# KiCad board Joystick 2-axis with pushbutton breakout_panel.kicad_pcb (continued)
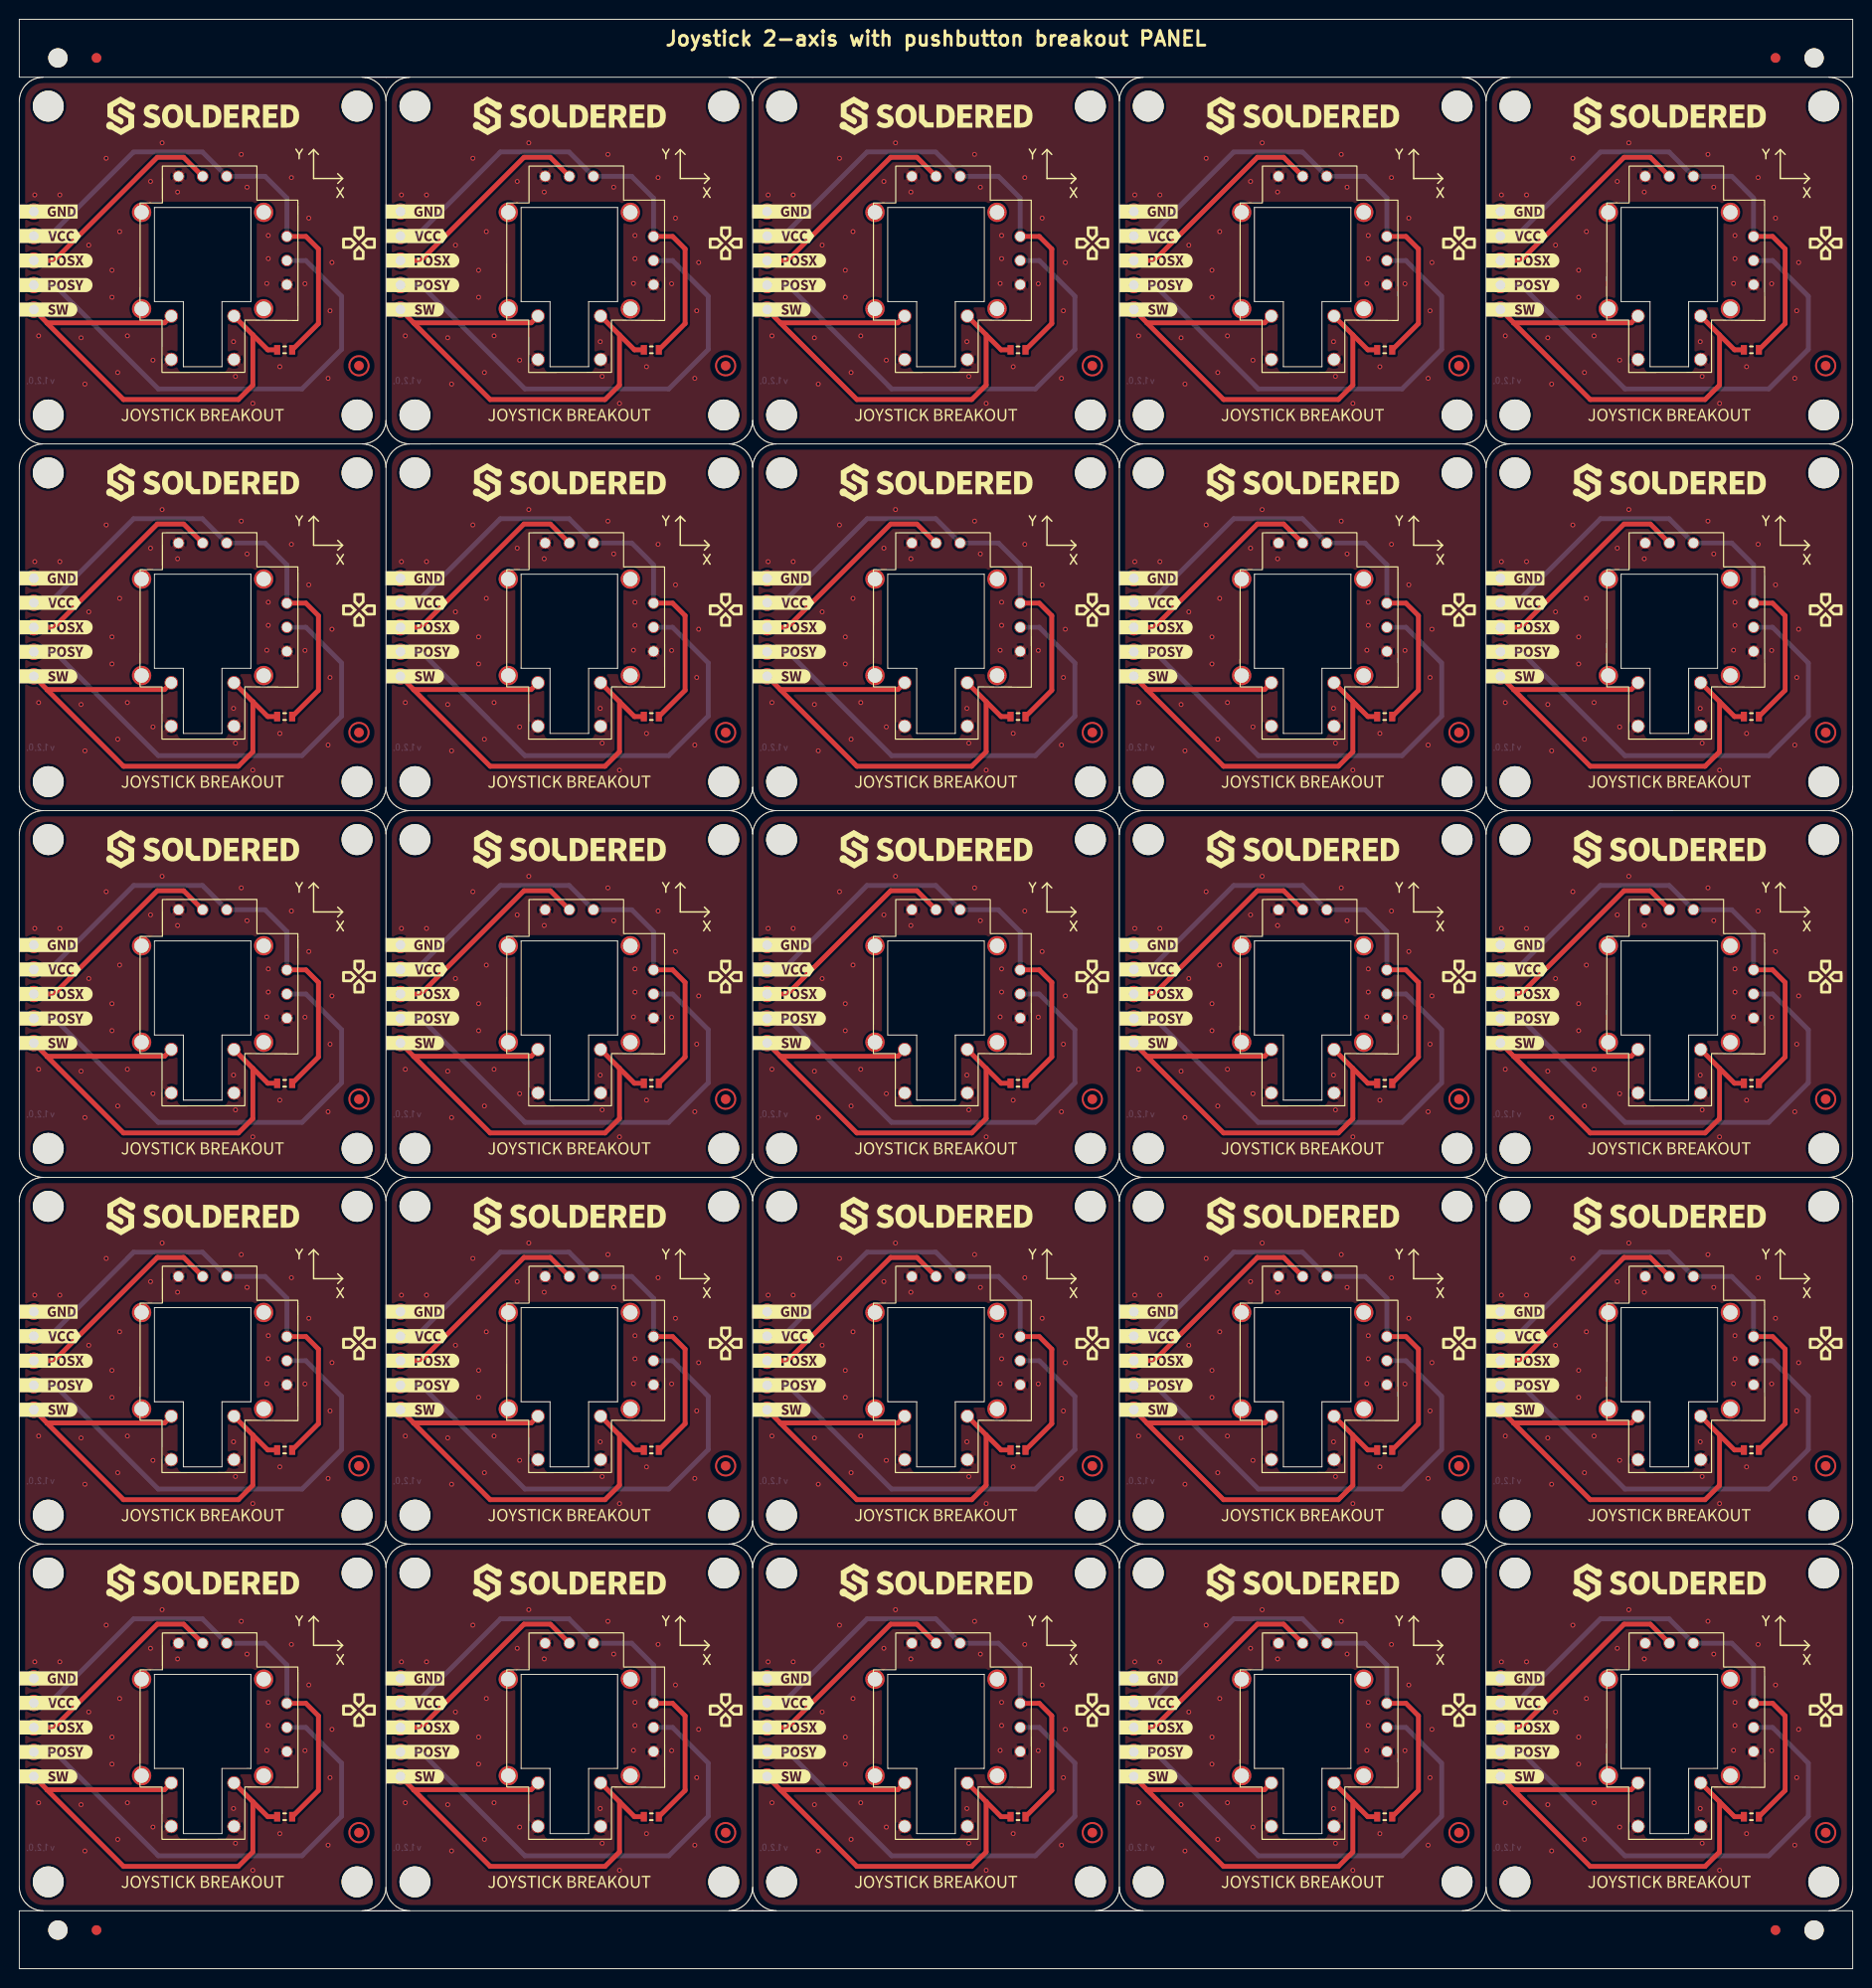
[diagram p0: board, top side]
## Placement (name value [footprint] x y rotation side) (continued)
kibuzzard-66828977#18  G***  [kibuzzard-66828977]  155.8 25 0 top
kibuzzard-66828977#19  G***  [kibuzzard-66828977]  79.8 177 0 top
kibuzzard-66828977#20  G***  [kibuzzard-66828977]  79.8 25 0 top
kibuzzard-66828977#21  G***  [kibuzzard-66828977]  3.8 25 0 top
kibuzzard-66828977#22  G***  [kibuzzard-66828977]  155.8 101 0 top
kibuzzard-66828977#23  G***  [kibuzzard-66828977]  117.8 63 0 top
kibuzzard-66828977#24  G***  [kibuzzard-66828977]  41.8 177 0 top
kibuzzard-66828977#25  G***  [kibuzzard-66828977]  79.8 101 0 top
kibuzzard-66828995  G***  [kibuzzard-66828995]  79.8 98.46 0 top
kibuzzard-66828995#2  G***  [kibuzzard-66828995]  79.8 60.46 0 top
kibuzzard-66828995#3  G***  [kibuzzard-66828995]  155.8 60.46 0 top
kibuzzard-66828995#4  G***  [kibuzzard-66828995]  155.8 22.46 0 top
kibuzzard-66828995#5  G***  [kibuzzard-66828995]  41.8 22.46 0 top
kibuzzard-66828995#6  G***  [kibuzzard-66828995]  41.8 174.46 0 top
kibuzzard-66828995#7  G***  [kibuzzard-66828995]  79.8 136.46 0 top
kibuzzard-66828995#8  G***  [kibuzzard-66828995]  117.8 174.46 0 top
kibuzzard-66828995#9  G***  [kibuzzard-66828995]  41.8 60.46 0 top
kibuzzard-66828995#10  G***  [kibuzzard-66828995]  155.8 174.46 0 top
kibuzzard-66828995#11  G***  [kibuzzard-66828995]  3.8 60.46 0 top
kibuzzard-66828995#12  G***  [kibuzzard-66828995]  117.8 60.46 0 top
kibuzzard-66828995#13  G***  [kibuzzard-66828995]  117.8 136.46 0 top
kibuzzard-66828995#14  G***  [kibuzzard-66828995]  3.8 174.46 0 top
kibuzzard-66828995#15  G***  [kibuzzard-66828995]  3.8 98.46 0 top
kibuzzard-66828995#16  G***  [kibuzzard-66828995]  117.8 98.46 0 top
kibuzzard-66828995#17  G***  [kibuzzard-66828995]  79.8 22.46 0 top
kibuzzard-66828995#18  G***  [kibuzzard-66828995]  41.8 98.46 0 top
kibuzzard-66828995#19  G***  [kibuzzard-66828995]  3.8 22.46 0 top
kibuzzard-66828995#20  G***  [kibuzzard-66828995]  117.8 22.46 0 top
kibuzzard-66828995#21  G***  [kibuzzard-66828995]  41.8 136.46 0 top
kibuzzard-66828995#22  G***  [kibuzzard-66828995]  155.8 136.46 0 top
kibuzzard-66828995#23  G***  [kibuzzard-66828995]  79.8 174.46 0 top
kibuzzard-66828995#24  G***  [kibuzzard-66828995]  3.8 136.46 0 top
kibuzzard-66828995#25  G***  [kibuzzard-66828995]  155.8 98.46 0 top
R1  10k  [0603R]  65.5 129.75 0 top
R1#2  10k  [0603R]  27.5 15.75 0 top
R1#3  10k  [0603R]  65.5 167.75 0 top
R1#4  10k  [0603R]  65.5 15.75 0 top
R1#5  10k  [0603R]  103.5 91.75 0 top
R1#6  10k  [0603R]  141.5 53.75 0 top
R1#7  10k  [0603R]  141.5 129.75 0 top
R1#8  10k  [0603R]  141.5 167.75 0 top
R1#9  10k  [0603R]  27.5 91.75 0 top
R1#10  10k  [0603R]  27.5 167.75 0 top
R1#11  10k  [0603R]  103.5 167.75 0 top
R1#12  10k  [0603R]  65.5 91.75 0 top
R1#13  10k  [0603R]  103.5 15.75 0 top
R1#14  10k  [0603R]  103.5 53.75 0 top
R1#15  10k  [0603R]  27.5 129.75 0 top
R1#16  10k  [0603R]  179.5 129.75 0 top
R1#17  10k  [0603R]  65.5 53.75 0 top
R1#18  10k  [0603R]  179.5 53.75 0 top
R1#19  10k  [0603R]  27.5 53.75 0 top
R1#20  10k  [0603R]  179.5 91.75 0 top
R1#21  10k  [0603R]  141.5 91.75 0 top
R1#22  10k  [0603R]  179.5 15.75 0 top
R1#23  10k  [0603R]  141.5 15.75 0 top
R1#24  10k  [0603R]  179.5 167.75 0 top
R1#25  10k  [0603R]  103.5 129.75 0 top
REF**  -  [Logo-Front-SolderedFULL-20mm]  133 116 0 top
REF**#2  -  [Logo-Back-CE-3.5mm]  88.9 160.4 0 top
REF**#3  Logo-Front-SolderedFULL-20mm  [Logo-Back-SolderedFULL-20mm]  133 78 0 top
REF**#4  -  [Logo-Back-CE-3.5mm]  88.9 46.4 0 top
REF**#5  -  [Logo-Front-SolderedFULL-20mm]  57 154 0 top
REF**#6  -  [Logo-Back-CE-3.5mm]  12.9 84.4 0 top
REF**#7  -  [Logo-Front-SolderedFULL-20mm]  171 78 0 top
REF**#8  Logo-Front-SolderedFULL-20mm  [Logo-Back-SolderedFULL-20mm]  95 192 0 top
REF**#9  -  [Logo-Back-CE-3.5mm]  12.9 122.4 0 top
REF**#10  -  [Logo-Back-UKCA-3.5mm]  122.4 160.5 0 top
REF**#11  -  [Logo-Front-SolderedFULL-20mm]  57 192 0 top
REF**#12  -  [Logo-Back-UKCA-3.5mm]  84.4 84.5 0 top
REF**#13  Logo-Front-SolderedFULL-20mm  [Logo-Back-SolderedFULL-20mm]  19 40 0 top
REF**#14  Logo-Front-SolderedFULL-20mm  [Logo-Back-SolderedFULL-20mm]  19 192 0 top
REF**#15  Logo-Front-SolderedFULL-20mm  [Logo-Back-SolderedFULL-20mm]  171 78 0 top
REF**#16  -  [Logo-Back-CE-3.5mm]  126.9 84.4 0 top
REF**#17  -  [Logo-Back-CE-3.5mm]  50.9 8.4 0 top
REF**#18  Logo-Front-SolderedFULL-20mm  [Logo-Back-SolderedFULL-20mm]  133 154 0 top
REF**#19  Logo-Front-SolderedFULL-20mm  [Logo-Back-SolderedFULL-20mm]  95 40 0 top
REF**#20  -  [Fiducial]  182 4 0 top
REF**#21  -  [Logo-Front-SolderedFULL-20mm]  57 78 0 top
REF**#22  Logo-Front-SolderedFULL-20mm  [Logo-Back-SolderedFULL-20mm]  133 116 0 top
REF**#23  -  [Logo-Front-SolderedFULL-20mm]  95 192 0 top
REF**#24  -  [Fiducial]  182 198 0 top
REF**#25  Logo-Front-SolderedFULL-20mm  [Logo-Back-SolderedFULL-20mm]  95 116 0 top
REF**#26  -  [Logo-Back-CE-3.5mm]  164.9 8.4 0 top
REF**#27  -  [Logo-Back-UKCA-3.5mm]  46.4 160.5 0 top
REF**#28  -  [Logo-Back-CE-3.5mm]  50.9 160.4 0 top
REF**#29  -  [Logo-Back-UKCA-3.5mm]  84.4 122.5 0 top
REF**#30  -  [Logo-Front-SolderedFULL-20mm]  95 78 0 top
REF**#31  Logo-Front-SolderedFULL-20mm  [Logo-Back-SolderedFULL-20mm]  19 78 0 top
REF**#32  -  [Logo-Back-CE-3.5mm]  164.9 160.4 0 top
REF**#33  -  [Fiducial]  8 4 0 top
REF**#34  -  [Logo-Back-UKCA-3.5mm]  46.4 84.5 0 top
REF**#35  -  [NPTH]  4 4 0 top
REF**#36  -  [Logo-Back-CE-3.5mm]  126.9 160.4 0 top
REF**#37  -  [Logo-Back-UKCA-3.5mm]  46.4 8.5 0 top
REF**#38  -  [Logo-Front-SolderedFULL-20mm]  133 192 0 top
REF**#39  Logo-Front-SolderedFULL-20mm  [Logo-Back-SolderedFULL-20mm]  19 154 0 top
REF**#40  -  [Logo-Back-CE-3.5mm]  164.9 84.4 0 top
REF**#41  Logo-Front-SolderedFULL-20mm  [Logo-Back-SolderedFULL-20mm]  57 154 0 top
REF**#42  -  [Logo-Front-SolderedFULL-20mm]  95 40 0 top
REF**#43  -  [Logo-Front-SolderedFULL-20mm]  19 40 0 top
REF**#44  Logo-Front-SolderedFULL-20mm  [Logo-Back-SolderedFULL-20mm]  171 116 0 top
REF**#45  -  [Logo-Back-UKCA-3.5mm]  8.4 8.5 0 top
REF**#46  -  [Logo-Back-UKCA-3.5mm]  160.4 84.5 0 top
REF**#47  -  [Logo-Back-CE-3.5mm]  164.9 46.4 0 top
REF**#48  -  [Logo-Back-UKCA-3.5mm]  122.4 46.5 0 top
REF**#49  -  [Logo-Front-SolderedFULL-20mm]  133 78 0 top
REF**#50  -  [Logo-Back-CE-3.5mm]  12.9 8.4 0 top
REF**#51  Logo-Front-SolderedFULL-20mm  [Logo-Back-SolderedFULL-20mm]  95 154 0 top
REF**#52  -  [Logo-Back-UKCA-3.5mm]  8.4 84.5 0 top
REF**#53  -  [NPTH]  186 4 0 top
REF**#54  -  [Logo-Back-UKCA-3.5mm]  122.4 122.5 0 top
REF**#55  -  [Logo-Front-SolderedFULL-20mm]  95 116 0 top
REF**#56  -  [Logo-Back-CE-3.5mm]  88.9 84.4 0 top
REF**#57  Logo-Front-SolderedFULL-20mm  [Logo-Back-SolderedFULL-20mm]  57 78 0 top
REF**#58  -  [Logo-Front-SolderedFULL-20mm]  57 116 0 top
REF**#59  -  [Logo-Back-UKCA-3.5mm]  160.4 160.5 0 top
REF**#60  Logo-Front-SolderedFULL-20mm  [Logo-Back-SolderedFULL-20mm]  133 192 0 top
REF**#61  Logo-Front-SolderedFULL-20mm  [Logo-Back-SolderedFULL-20mm]  57 116 0 top
REF**#62  -  [Logo-Back-CE-3.5mm]  50.9 122.4 0 top
REF**#63  -  [Logo-Back-UKCA-3.5mm]  84.4 160.5 0 top
REF**#64  Logo-Front-SolderedFULL-20mm  [Logo-Back-SolderedFULL-20mm]  95 78 0 top
REF**#65  -  [Logo-Back-UKCA-3.5mm]  8.4 122.5 0 top
REF**#66  -  [Logo-Back-UKCA-3.5mm]  46.4 122.5 0 top
REF**#67  -  [Logo-Back-CE-3.5mm]  126.9 8.4 0 top
REF**#68  Logo-Front-SolderedFULL-20mm  [Logo-Back-SolderedFULL-20mm]  133 40 0 top
REF**#69  -  [Logo-Back-CE-3.5mm]  88.9 122.4 0 top
REF**#70  -  [Logo-Front-SolderedFULL-20mm]  19 192 0 top
REF**#71  -  [Logo-Back-CE-3.5mm]  50.9 46.4 0 top
REF**#72  -  [NPTH]  186 198 0 top
REF**#73  -  [Logo-Back-UKCA-3.5mm]  160.4 8.5 0 top
REF**#74  -  [Logo-Front-SolderedFULL-20mm]  95 154 0 top
REF**#75  Logo-Front-SolderedFULL-20mm  [Logo-Back-SolderedFULL-20mm]  171 154 0 top
REF**#76  -  [Logo-Back-UKCA-3.5mm]  8.4 46.5 0 top
REF**#77  -  [Logo-Back-UKCA-3.5mm]  160.4 122.5 0 top
REF**#78  Logo-Front-SolderedFULL-20mm  [Logo-Back-SolderedFULL-20mm]  171 192 0 top
REF**#79  Logo-Front-SolderedFULL-20mm  [Logo-Back-SolderedFULL-20mm]  57 192 0 top
REF**#80  -  [Logo-Front-SolderedFULL-20mm]  133 154 0 top
REF**#81  -  [Logo-Front-SolderedFULL-20mm]  19 154 0 top
REF**#82  -  [Logo-Back-CE-3.5mm]  164.9 122.4 0 top
REF**#83  Logo-Front-SolderedFULL-20mm  [Logo-Back-SolderedFULL-20mm]  19 116 0 top
REF**#84  -  [Logo-Front-SolderedFULL-20mm]  171 40 0 top
REF**#85  -  [Logo-Back-UKCA-3.5mm]  160.4 46.5 0 top
REF**#86  -  [Logo-Front-SolderedFULL-20mm]  171 192 0 top
REF**#87  -  [Logo-Back-UKCA-3.5mm]  84.4 8.5 0 top
REF**#88  -  [Logo-Front-SolderedFULL-20mm]  19 78 0 top
REF**#89  -  [Logo-Back-UKCA-3.5mm]  122.4 8.5 0 top
REF**#90  -  [NPTH]  4 198 0 top
REF**#91  -  [Logo-Back-UKCA-3.5mm]  84.4 46.5 0 top
REF**#92  -  [Logo-Back-UKCA-3.5mm]  122.4 84.5 0 top
REF**#93  -  [Logo-Back-UKCA-3.5mm]  8.4 160.5 0 top
REF**#94  -  [Fiducial]  8 198 0 top
REF**#95  -  [Logo-Back-CE-3.5mm]  88.9 8.4 0 top
REF**#96  -  [Logo-Front-SolderedFULL-20mm]  171 116 0 top
REF**#97  -  [Logo-Back-CE-3.5mm]  12.9 46.4 0 top
REF**#98  -  [Logo-Front-SolderedFULL-20mm]  19 116 0 top
REF**#99  -  [Logo-Back-CE-3.5mm]  126.9 46.4 0 top
REF**#100  -  [Logo-Back-CE-3.5mm]  12.9 160.4 0 top
REF**#101  Logo-Front-SolderedFULL-20mm  [Logo-Back-SolderedFULL-20mm]  57 40 0 top
REF**#102  Logo-Front-SolderedFULL-20mm  [Logo-Back-SolderedFULL-20mm]  171 40 0 top
REF**#103  -  [Logo-Front-SolderedFULL-20mm]  133 40 0 top
REF**#104  -  [Logo-Front-SolderedFULL-20mm]  171 154 0 top
REF**#105  -  [Logo-Back-CE-3.5mm]  50.9 84.4 0 top
REF**#106  -  [Logo-Back-UKCA-3.5mm]  46.4 46.5 0 top
REF**#107  -  [Logo-Back-CE-3.5mm]  126.9 122.4 0 top
REF**#108  -  [Logo-Front-SolderedFULL-20mm]  57 40 0 top
REF**#109  -  [Version1.2.0]  2.15 12.55 180 bottom
REF**#110  -  [Version1.2.0]  78.15 126.55 180 bottom
REF**#111  -  [Version1.2.0]  116.15 126.55 180 bottom
REF**#112  -  [Version1.2.0]  116.15 12.55 180 bottom
REF**#113  -  [Version1.2.0]  2.15 126.55 180 bottom
REF**#114  -  [Version1.2.0]  154.15 50.55 180 bottom
REF**#115  -  [Version1.2.0]  2.15 50.55 180 bottom
REF**#116  -  [Version1.2.0]  40.15 12.55 180 bottom
REF**#117  -  [Version1.2.0]  78.15 12.55 180 bottom
REF**#118  -  [Version1.2.0]  40.15 88.55 180 bottom
REF**#119  -  [Version1.2.0]  40.15 126.55 180 bottom
REF**#120  -  [Version1.2.0]  40.15 164.55 180 bottom
REF**#121  -  [Fiducial]  182 4 0 bottom
REF**#122  -  [Fiducial]  8 198 0 bottom
REF**#123  -  [Fiducial]  8 4 0 bottom
REF**#124  -  [Version1.2.0]  154.15 12.55 180 bottom
REF**#125  -  [Version1.2.0]  78.15 50.55 180 bottom
REF**#126  -  [Version1.2.0]  154.15 88.55 180 bottom
REF**#127  -  [Version1.2.0]  78.15 88.55 180 bottom
REF**#128  -  [Version1.2.0]  116.15 50.55 180 bottom
REF**#129  -  [Version1.2.0]  78.15 164.55 180 bottom
REF**#130  -  [Fiducial]  182 198 0 bottom
REF**#131  -  [Version1.2.0]  116.15 88.55 180 bottom
REF**#132  -  [Version1.2.0]  40.15 50.55 180 bottom
REF**#133  -  [Version1.2.0]  154.15 126.55 180 bottom
REF**#134  -  [Version1.2.0]  154.15 164.55 180 bottom
REF**#135  -  [Version1.2.0]  116.15 164.55 180 bottom
REF**#136  -  [Version1.2.0]  2.15 88.55 180 bottom
REF**#137  -  [Version1.2.0]  2.15 164.55 180 bottom

## Footprints (pads in the part's own frame, mm; a bottom-side part is the same pattern mirrored in y, then rotated)
0603R
  rect 0.64x1 smd: 1(-0.775,0) 2(0.775,0)
Fiducial
  round 1 smd: (0,0)
FIDUCIAL_23
  round 1 smd: 1(0,0)
HEADER_MALE_5X1
  round 1.7 hole 1: 1(-5.08,0) 2(-2.54,0) 3(0,0) 4(2.54,0) 5(5.08,0)
HOLE_3.2mm
  round 3.2 hole 3.2 unplated: (0,0)
joystick
  round 2 hole 1.5: (-6.325,5) (-6.325,-5) (6.325,5) (6.325,-5)
  round 1.4 hole 1.2: 1(-3.25,-10.25) 1(3.25,-10.25) 2(-3.25,-5.75) 2(3.25,-5.75)
  round 1.2 hole 1: 3(8.73,-2.5) 4(8.73,0) 5(8.73,2.5) 6(2.5,8.73) 7(0,8.73) 8(-2.5,8.73)
NPTH
  round 2 hole 2 unplated: (0,0)

## Nets
Board_0-GND: K1#16.1 K1#16.3 K1#16.8 K2#15.5
Board_0-POSx: K1#16.7 K2#15.3
Board_0-POSy: K1#16.4 K2#15.2
Board_0-SW: K1#16.2 K2#15.1 R1#10.1
Board_0-VCC: K1#16.5 K1#16.6 K2#15.4 R1#10.2
Board_1-GND: K1#5.1 K1#5.3 K1#5.8 K2#2.5
Board_1-POSx: K1#5.7 K2#2.3
Board_1-POSy: K1#5.4 K2#2.2
Board_1-SW: K1#5.2 K2#2.1 R1#3.1
Board_1-VCC: K1#5.5 K1#5.6 K2#2.4 R1#3.2
Board_2-GND: K1#9.1 K1#9.3 K1#9.8 K2#21.5
Board_2-POSx: K1#9.7 K2#21.3
Board_2-POSy: K1#9.4 K2#21.2
Board_2-SW: K1#9.2 K2#21.1 R1#11.1
Board_2-VCC: K1#9.5 K1#9.6 K2#21.4 R1#11.2
Board_3-GND: K1#19.1 K1#19.3 K1#19.8 K2#24.5
Board_3-POSx: K1#19.7 K2#24.3
Board_3-POSy: K1#19.4 K2#24.2
Board_3-SW: K1#19.2 K2#24.1 R1#8.1
Board_3-VCC: K1#19.5 K1#19.6 K2#24.4 R1#8.2
Board_4-GND: K1#2.1 K1#2.3 K1#2.8 K2#9.5
Board_4-POSx: K1#2.7 K2#9.3
Board_4-POSy: K1#2.4 K2#9.2
Board_4-SW: K1#2.2 K2#9.1 R1#24.1
Board_4-VCC: K1#2.5 K1#2.6 K2#9.4 R1#24.2
Board_5-GND: K1#14.1 K1#14.3 K1#14.8 K2.5
Board_5-POSx: K1#14.7 K2.3
Board_5-POSy: K1#14.4 K2.2
Board_5-SW: K1#14.2 K2.1 R1#15.1
Board_5-VCC: K1#14.5 K1#14.6 K2.4 R1#15.2
Board_6-GND: K1#17.1 K1#17.3 K1#17.8 K2#6.5
Board_6-POSx: K1#17.7 K2#6.3
Board_6-POSy: K1#17.4 K2#6.2
Board_6-SW: K1#17.2 K2#6.1 R1.1
Board_6-VCC: K1#17.5 K1#17.6 K2#6.4 R1.2
Board_7-GND: K1#15.1 K1#15.3 K1#15.8 K2#25.5
Board_7-POSx: K1#15.7 K2#25.3
Board_7-POSy: K1#15.4 K2#25.2
Board_7-SW: K1#15.2 K2#25.1 R1#25.1
Board_7-VCC: K1#15.5 K1#15.6 K2#25.4 R1#25.2
Board_8-GND: K1#20.1 K1#20.3 K1#20.8 K2#22.5
Board_8-POSx: K1#20.7 K2#22.3
Board_8-POSy: K1#20.4 K2#22.2
Board_8-SW: K1#20.2 K2#22.1 R1#7.1
Board_8-VCC: K1#20.5 K1#20.6 K2#22.4 R1#7.2
Board_9-GND: K1#25.1 K1#25.3 K1#25.8 K2#13.5
Board_9-POSx: K1#25.7 K2#13.3
Board_9-POSy: K1#25.4 K2#13.2
Board_9-SW: K1#25.2 K2#13.1 R1#16.1
Board_9-VCC: K1#25.5 K1#25.6 K2#13.4 R1#16.2
Board_10-GND: K1#3.1 K1#3.3 K1#3.8 K2#12.5
Board_10-POSx: K1#3.7 K2#12.3
Board_10-POSy: K1#3.4 K2#12.2
Board_10-SW: K1#3.2 K2#12.1 R1#9.1
Board_10-VCC: K1#3.5 K1#3.6 K2#12.4 R1#9.2
Board_11-GND: K1#24.1 K1#24.3 K1#24.8 K2#11.5
Board_11-POSx: K1#24.7 K2#11.3
Board_11-POSy: K1#24.4 K2#11.2
Board_11-SW: K1#24.2 K2#11.1 R1#12.1
Board_11-VCC: K1#24.5 K1#24.6 K2#11.4 R1#12.2
Board_12-GND: K1#23.1 K1#23.3 K1#23.8 K2#4.5
Board_12-POSx: K1#23.7 K2#4.3
Board_12-POSy: K1#23.4 K2#4.2
Board_12-SW: K1#23.2 K2#4.1 R1#5.1
Board_12-VCC: K1#23.5 K1#23.6 K2#4.4 R1#5.2
Board_13-GND: K1#6.1 K1#6.3 K1#6.8 K2#3.5
Board_13-POSx: K1#6.7 K2#3.3
Board_13-POSy: K1#6.4 K2#3.2
Board_13-SW: K1#6.2 K2#3.1 R1#21.1
Board_13-VCC: K1#6.5 K1#6.6 K2#3.4 R1#21.2
Board_14-GND: K1#4.1 K1#4.3 K1#4.8 K2#17.5
Board_14-POSx: K1#4.7 K2#17.3
Board_14-POSy: K1#4.4 K2#17.2
Board_14-SW: K1#4.2 K2#17.1 R1#20.1
Board_14-VCC: K1#4.5 K1#4.6 K2#17.4 R1#20.2
Board_15-GND: K1#13.1 K1#13.3 K1#13.8 K2#10.5
Board_15-POSx: K1#13.7 K2#10.3
Board_15-POSy: K1#13.4 K2#10.2
Board_15-SW: K1#13.2 K2#10.1 R1#19.1
Board_15-VCC: K1#13.5 K1#13.6 K2#10.4 R1#19.2
Board_16-GND: K1#8.1 K1#8.3 K1#8.8 K2#23.5
Board_16-POSx: K1#8.7 K2#23.3
Board_16-POSy: K1#8.4 K2#23.2
Board_16-SW: K1#8.2 K2#23.1 R1#17.1
Board_16-VCC: K1#8.5 K1#8.6 K2#23.4 R1#17.2
Board_17-GND: K1#10.1 K1#10.3 K1#10.8 K2#14.5
Board_17-POSx: K1#10.7 K2#14.3
Board_17-POSy: K1#10.4 K2#14.2
Board_17-SW: K1#10.2 K2#14.1 R1#14.1
Board_17-VCC: K1#10.5 K1#10.6 K2#14.4 R1#14.2
Board_18-GND: K1#22.1 K1#22.3 K1#22.8 K2#19.5
Board_18-POSx: K1#22.7 K2#19.3
Board_18-POSy: K1#22.4 K2#19.2
Board_18-SW: K1#22.2 K2#19.1 R1#6.1
Board_18-VCC: K1#22.5 K1#22.6 K2#19.4 R1#6.2
Board_19-GND: K1#7.1 K1#7.3 K1#7.8 K2#18.5
Board_19-POSx: K1#7.7 K2#18.3
Board_19-POSy: K1#7.4 K2#18.2
Board_19-SW: K1#7.2 K2#18.1 R1#18.1
Board_19-VCC: K1#7.5 K1#7.6 K2#18.4 R1#18.2
Board_20-GND: K1#11.1 K1#11.3 K1#11.8 K2#20.5
Board_20-POSx: K1#11.7 K2#20.3
Board_20-POSy: K1#11.4 K2#20.2
Board_20-SW: K1#11.2 K2#20.1 R1#2.1
Board_20-VCC: K1#11.5 K1#11.6 K2#20.4 R1#2.2
Board_21-GND: K1.1 K1.3 K1.8 K2#16.5
Board_21-POSx: K1.7 K2#16.3
Board_21-POSy: K1.4 K2#16.2
Board_21-SW: K1.2 K2#16.1 R1#4.1
Board_21-VCC: K1.5 K1.6 K2#16.4 R1#4.2
Board_22-GND: K1#18.1 K1#18.3 K1#18.8 K2#5.5
Board_22-POSx: K1#18.7 K2#5.3
Board_22-POSy: K1#18.4 K2#5.2
Board_22-SW: K1#18.2 K2#5.1 R1#13.1
Board_22-VCC: K1#18.5 K1#18.6 K2#5.4 R1#13.2
Board_23-GND: K1#21.1 K1#21.3 K1#21.8 K2#7.5
Board_23-POSx: K1#21.7 K2#7.3
Board_23-POSy: K1#21.4 K2#7.2
Board_23-SW: K1#21.2 K2#7.1 R1#23.1
Board_23-VCC: K1#21.5 K1#21.6 K2#7.4 R1#23.2
Board_24-GND: K1#12.1 K1#12.3 K1#12.8 K2#8.5
Board_24-POSx: K1#12.7 K2#8.3
Board_24-POSy: K1#12.4 K2#8.2
Board_24-SW: K1#12.2 K2#8.1 R1#22.1
Board_24-VCC: K1#12.5 K1#12.6 K2#8.4 R1#22.2

Pads without a net: FD1 1; FD1#2 1; FD1#3 1; FD1#4 1; FD1#5 1; FD1#6 1; FD1#7 1; FD1#8 1; FD1#9 1; FD1#10 1; FD1#11 1; FD1#12 1; FD1#13 1; FD1#14 1; FD1#15 1; FD1#16 1; FD1#17 1; FD1#18 1; FD1#19 1; FD1#20 1; FD1#21 1; FD1#22 1; FD1#23 1; FD1#24 1; FD1#25 1

## Via types
v1: diameter 0.5, hole 0.3, Top to Bottom, 775 vias

## Routing (per net, layer and track width the routed paths; a pad name or vN(x,y) marks a point on that pad's centre or on a via; arc(x,y) is an arc through that point)
Board_0-GND:
  vias: v1(1.6,183.8) v1(2,169.2) v1(4.2,183.8) v1(6.4,169) v1(6.8,164.2) v1(7.2,178.6) v1(9,187.6) v1(9.6,176) v1(9.6,173.2) v1(10.2,165.4) v1(10.4,180) v1(11.2,169.2) v1(13.6,185.2) v1(13.85,166.68) v1(14.8,189.2) v1(16.4,184.1) v1(22.2,168.6) v1(22.4,165) v1(23,188) v1(23.6,184.6) v1(24.2,162.2) v1(25.65,174.63) v1(25.8,179.6) v1(25.8,177.2) v1(27,166) v1(28.2,185.6) v1(29.6,174.6) v1(30,181.4) v1(32,164.8) v1(32.2,171.8) v1(32.4,176.8)
Board_0-POSx: length 22.7
  Top w0.5: K1#16.7 17.03,187.7 14.3,187.7 3.6,177 K2#15.3
Board_0-POSy: length 50.8
  Bottom w0.5: K1#16.4 29.7,177 33.4,173.3 33.4,167.8 29.3,163.7 14.4,163.7 3.64,174.46 K2#15.2
Board_0-SW: length 51.5
  Top w0.5: K1#16.2 15.05,170.55 2.87,170.55 ; R1#10.1 25.75,167.75 24.2,169.3 ; 2.87,170.55 2.87,170.53 10.8,162.6 22.7,162.6 24.2,164.1 24.2,169.3 ; 2.87,170.55 K2#15.1 ; 24.2,169.3 K1#16.2
Board_0-VCC: length 51.2
  Top w0.5: R1#10.2 31,170.48 31,178.2 29.7,179.5 K1#16.5
  Bottom w0.5: K2#15.4 3.14,179.54 11.85,188.25 18.98,188.25 K1#16.6 25.47,185.73 27.73,183.47 K1#16.5
Board_1-GND:
  vias: v1(39.6,183.8) v1(40,169.2) v1(42.2,183.8) v1(44.4,169) v1(44.8,164.2) v1(45.2,178.6) v1(47,187.6) v1(47.6,176) v1(47.6,173.2) v1(48.2,165.4) v1(48.4,180) v1(49.2,169.2) v1(51.6,185.2) v1(51.85,166.68) v1(52.8,189.2) v1(54.4,184.1) v1(60.2,168.6) v1(60.4,165) v1(61,188) v1(61.6,184.6) v1(62.2,162.2) v1(63.65,174.63) v1(63.8,179.6) v1(63.8,177.2) v1(65,166) v1(66.2,185.6) v1(67.6,174.6) v1(68,181.4) v1(70,164.8) v1(70.2,171.8) v1(70.4,176.8)
Board_1-POSx: length 22.7
  Top w0.5: K1#5.7 55.03,187.7 52.3,187.7 41.6,177 K2#2.3
Board_1-POSy: length 50.8
  Bottom w0.5: K1#5.4 67.7,177 71.4,173.3 71.4,167.8 67.3,163.7 52.4,163.7 41.64,174.46 K2#2.2
Board_1-SW: length 51.5
  Top w0.5: R1#3.1 63.75,167.75 62.2,169.3 ; 62.2,169.3 K1#5.2 ; 62.2,169.3 62.2,164.1 60.7,162.6 48.8,162.6 40.87,170.53 40.87,170.55 ; K2#2.1 40.87,170.55 ; 40.87,170.55 53.05,170.55 K1#5.2
Board_1-VCC: length 51.2
  Top w0.5: K1#5.5 67.7,179.5 69,178.2 69,170.48 R1#3.2
  Bottom w0.5: K1#5.5 65.73,183.47 63.47,185.73 K1#5.6 56.98,188.25 49.85,188.25 41.14,179.54 K2#2.4
Board_2-GND:
  vias: v1(77.6,183.8) v1(78,169.2) v1(80.2,183.8) v1(82.4,169) v1(82.8,164.2) v1(83.2,178.6) v1(85,187.6) v1(85.6,176) v1(85.6,173.2) v1(86.2,165.4) v1(86.4,180) v1(87.2,169.2) v1(89.6,185.2) v1(89.85,166.68) v1(90.8,189.2) v1(92.4,184.1) v1(98.2,168.6) v1(98.4,165) v1(99,188) v1(99.6,184.6) v1(100.2,162.2) v1(101.65,174.63) v1(101.8,179.6) v1(101.8,177.2) v1(103,166) v1(104.2,185.6) v1(105.6,174.6) v1(106,181.4) v1(108,164.8) v1(108.2,171.8) v1(108.4,176.8)
Board_2-POSx: length 22.7
  Top w0.5: K2#21.3 79.6,177 90.3,187.7 93.03,187.7 K1#9.7
Board_2-POSy: length 50.8
  Bottom w0.5: K2#21.2 79.64,174.46 90.4,163.7 105.3,163.7 109.4,167.8 109.4,173.3 105.7,177 K1#9.4
Board_2-SW: length 51.5
  Top w0.5: R1#11.1 101.75,167.75 100.2,169.3 ; 100.2,169.3 100.2,164.1 98.7,162.6 86.8,162.6 78.87,170.53 78.87,170.55 ; 100.2,169.3 K1#9.2 ; K2#21.1 78.87,170.55 ; 78.87,170.55 91.05,170.55 K1#9.2
Board_2-VCC: length 51.2
  Top w0.5: K1#9.5 105.7,179.5 107,178.2 107,170.48 R1#11.2
  Bottom w0.5: K2#21.4 79.14,179.54 87.85,188.25 94.98,188.25 K1#9.6 101.47,185.73 103.73,183.47 K1#9.5
Board_3-GND:
  vias: v1(115.6,183.8) v1(116,169.2) v1(118.2,183.8) v1(120.4,169) v1(120.8,164.2) v1(121.2,178.6) v1(123,187.6) v1(123.6,176) v1(123.6,173.2) v1(124.2,165.4) v1(124.4,180) v1(125.2,169.2) v1(127.6,185.2) v1(127.85,166.68) v1(128.8,189.2) v1(130.4,184.1) v1(136.2,168.6) v1(136.4,165) v1(137,188) v1(137.6,184.6) v1(138.2,162.2) v1(139.65,174.63) v1(139.8,179.6) v1(139.8,177.2) v1(141,166) v1(142.2,185.6) v1(143.6,174.6) v1(144,181.4) v1(146,164.8) v1(146.2,171.8) v1(146.4,176.8)
Board_3-POSx: length 22.7
  Top w0.5: K2#24.3 117.6,177 128.3,187.7 131.03,187.7 K1#19.7
Board_3-POSy: length 50.8
  Bottom w0.5: K1#19.4 143.7,177 147.4,173.3 147.4,167.8 143.3,163.7 128.4,163.7 117.64,174.46 K2#24.2
Board_3-SW: length 51.5
  Top w0.5: R1#8.1 139.75,167.75 138.2,169.3 ; K2#24.1 116.87,170.55 ; 116.87,170.55 129.05,170.55 K1#19.2 ; 116.87,170.55 116.87,170.53 124.8,162.6 136.7,162.6 138.2,164.1 138.2,169.3 ; 138.2,169.3 K1#19.2
Board_3-VCC: length 51.2
  Top w0.5: K1#19.5 143.7,179.5 145,178.2 145,170.48 R1#8.2
  Bottom w0.5: K2#24.4 117.14,179.54 125.85,188.25 132.98,188.25 K1#19.6 139.47,185.73 141.73,183.47 K1#19.5
Board_4-GND:
  vias: v1(153.6,183.8) v1(154,169.2) v1(156.2,183.8) v1(158.4,169) v1(158.8,164.2) v1(159.2,178.6) v1(161,187.6) v1(161.6,176) v1(161.6,173.2) v1(162.2,165.4) v1(162.4,180) v1(163.2,169.2) v1(165.6,185.2) v1(165.85,166.68) v1(166.8,189.2) v1(168.4,184.1) v1(174.2,168.6) v1(174.4,165) v1(175,188) v1(175.6,184.6) v1(176.2,162.2) v1(177.65,174.63) v1(177.8,179.6) v1(177.8,177.2) v1(179,166) v1(180.2,185.6) v1(181.6,174.6) v1(182,181.4) v1(184,164.8) v1(184.2,171.8) v1(184.4,176.8)
Board_4-POSx: length 22.7
  Top w0.5: K1#2.7 169.03,187.7 166.3,187.7 155.6,177 K2#9.3
Board_4-POSy: length 50.8
  Bottom w0.5: K1#2.4 181.7,177 185.4,173.3 185.4,167.8 181.3,163.7 166.4,163.7 155.64,174.46 K2#9.2
Board_4-SW: length 51.5
  Top w0.5: R1#24.1 177.75,167.75 176.2,169.3 ; 176.2,169.3 176.2,164.1 174.7,162.6 162.8,162.6 154.87,170.53 154.87,170.55 ; 176.2,169.3 K1#2.2 ; 154.87,170.55 167.05,170.55 K1#2.2 ; 154.87,170.55 K2#9.1
Board_4-VCC: length 51.2
  Top w0.5: K1#2.5 181.7,179.5 183,178.2 183,170.48 R1#24.2
  Bottom w0.5: K2#9.4 155.14,179.54 163.85,188.25 170.98,188.25 K1#2.6 177.47,185.73 179.73,183.47 K1#2.5
Board_5-GND:
  vias: v1(1.6,145.8) v1(2,131.2) v1(4.2,145.8) v1(6.4,131) v1(6.8,126.2) v1(7.2,140.6) v1(9,149.6) v1(9.6,138) v1(9.6,135.2) v1(10.2,127.4) v1(10.4,142) v1(11.2,131.2) v1(13.6,147.2) v1(13.85,128.68) v1(14.8,151.2) v1(16.4,146.1) v1(22.2,130.6) v1(22.4,127) v1(23,150) v1(23.6,146.6) v1(24.2,124.2) v1(25.65,136.63) v1(25.8,141.6) v1(25.8,139.2) v1(27,128) v1(28.2,147.6) v1(29.6,136.6) v1(30,143.4) v1(32,126.8) v1(32.2,133.8) v1(32.4,138.8)
Board_5-POSx: length 22.7
  Top w0.5: K2.3 3.6,139 14.3,149.7 17.03,149.7 K1#14.7
Board_5-POSy: length 50.8
  Bottom w0.5: K2.2 3.64,136.46 14.4,125.7 29.3,125.7 33.4,129.8 33.4,135.3 29.7,139 K1#14.4
Board_5-SW: length 51.5
  Top w0.5: K2.1 2.87,132.55 ; 2.87,132.55 15.05,132.55 K1#14.2 ; 2.87,132.55 2.87,132.53 10.8,124.6 22.7,124.6 24.2,126.1 24.2,131.3 ; R1#15.1 25.75,129.75 24.2,131.3 ; 24.2,131.3 K1#14.2
Board_5-VCC: length 51.2
  Top w0.5: R1#15.2 31,132.48 31,140.2 29.7,141.5 K1#14.5
  Bottom w0.5: K2.4 3.14,141.54 11.85,150.25 18.98,150.25 K1#14.6 25.47,147.73 27.73,145.47 K1#14.5
Board_6-GND:
  vias: v1(39.6,145.8) v1(40,131.2) v1(42.2,145.8) v1(44.4,131) v1(44.8,126.2) v1(45.2,140.6) v1(47,149.6) v1(47.6,138) v1(47.6,135.2) v1(48.2,127.4) v1(48.4,142) v1(49.2,131.2) v1(51.6,147.2) v1(51.85,128.68) v1(52.8,151.2) v1(54.4,146.1) v1(60.2,130.6) v1(60.4,127) v1(61,150) v1(61.6,146.6) v1(62.2,124.2) v1(63.65,136.63) v1(63.8,141.6) v1(63.8,139.2) v1(65,128) v1(66.2,147.6) v1(67.6,136.6) v1(68,143.4) v1(70,126.8) v1(70.2,133.8) v1(70.4,138.8)
Board_6-POSx: length 22.7
  Top w0.5: K2#6.3 41.6,139 52.3,149.7 55.03,149.7 K1#17.7
Board_6-POSy: length 50.8
  Bottom w0.5: K2#6.2 41.64,136.46 52.4,125.7 67.3,125.7 71.4,129.8 71.4,135.3 67.7,139 K1#17.4
Board_6-SW: length 51.5
  Top w0.5: 40.87,132.55 40.87,132.53 48.8,124.6 60.7,124.6 62.2,126.1 62.2,131.3 ; 40.87,132.55 K2#6.1 ; 40.87,132.55 53.05,132.55 K1#17.2 ; 62.2,131.3 K1#17.2 ; 62.2,131.3 63.75,129.75 R1.1
Board_6-VCC: length 51.2
  Top w0.5: R1.2 69,132.48 69,140.2 67.7,141.5 K1#17.5
  Bottom w0.5: K1#17.5 65.73,145.47 63.47,147.73 K1#17.6 56.98,150.25 49.85,150.25 41.14,141.54 K2#6.4
Board_7-GND:
  vias: v1(77.6,145.8) v1(78,131.2) v1(80.2,145.8) v1(82.4,131) v1(82.8,126.2) v1(83.2,140.6) v1(85,149.6) v1(85.6,138) v1(85.6,135.2) v1(86.2,127.4) v1(86.4,142) v1(87.2,131.2) v1(89.6,147.2) v1(89.85,128.68) v1(90.8,151.2) v1(92.4,146.1) v1(98.2,130.6) v1(98.4,127) v1(99,150) v1(99.6,146.6) v1(100.2,124.2) v1(101.65,136.63) v1(101.8,141.6) v1(101.8,139.2) v1(103,128) v1(104.2,147.6) v1(105.6,136.6) v1(106,143.4) v1(108,126.8) v1(108.2,133.8) v1(108.4,138.8)
Board_7-POSx: length 22.7
  Top w0.5: K1#15.7 93.03,149.7 90.3,149.7 79.6,139 K2#25.3
Board_7-POSy: length 50.8
  Bottom w0.5: K2#25.2 79.64,136.46 90.4,125.7 105.3,125.7 109.4,129.8 109.4,135.3 105.7,139 K1#15.4
Board_7-SW: length 51.5
  Top w0.5: 100.2,131.3 101.75,129.75 R1#25.1 ; 100.2,131.3 K1#15.2 ; 100.2,131.3 100.2,126.1 98.7,124.6 86.8,124.6 78.87,132.53 78.87,132.55 ; K1#15.2 91.05,132.55 78.87,132.55 ; 78.87,132.55 K2#25.1
Board_7-VCC: length 51.2
  Top w0.5: K1#15.5 105.7,141.5 107,140.2 107,132.48 R1#25.2
  Bottom w0.5: K1#15.5 103.73,145.47 101.47,147.73 K1#15.6 94.98,150.25 87.85,150.25 79.14,141.54 K2#25.4
Board_8-GND:
  vias: v1(115.6,145.8) v1(116,131.2) v1(118.2,145.8) v1(120.4,131) v1(120.8,126.2) v1(121.2,140.6) v1(123,149.6) v1(123.6,138) v1(123.6,135.2) v1(124.2,127.4) v1(124.4,142) v1(125.2,131.2) v1(127.6,147.2) v1(127.85,128.68) v1(128.8,151.2) v1(130.4,146.1) v1(136.2,130.6) v1(136.4,127) v1(137,150) v1(137.6,146.6) v1(138.2,124.2) v1(139.65,136.63) v1(139.8,141.6) v1(139.8,139.2) v1(141,128) v1(142.2,147.6) v1(143.6,136.6) v1(144,143.4) v1(146,126.8) v1(146.2,133.8) v1(146.4,138.8)
Board_8-POSx: length 22.7
  Top w0.5: K1#20.7 131.03,149.7 128.3,149.7 117.6,139 K2#22.3
Board_8-POSy: length 50.8
  Bottom w0.5: K2#22.2 117.64,136.46 128.4,125.7 143.3,125.7 147.4,129.8 147.4,135.3 143.7,139 K1#20.4
Board_8-SW: length 51.5
  Top w0.5: R1#7.1 139.75,129.75 138.2,131.3 ; 138.2,131.3 138.2,126.1 136.7,124.6 124.8,124.6 116.87,132.53 116.87,132.55 ; 138.2,131.3 K1#20.2 ; 116.87,132.55 K2#22.1 ; 116.87,132.55 129.05,132.55 K1#20.2
Board_8-VCC: length 51.2
  Top w0.5: R1#7.2 145,132.48 145,140.2 143.7,141.5 K1#20.5
  Bottom w0.5: K2#22.4 117.14,141.54 125.85,150.25 132.98,150.25 K1#20.6 139.47,147.73 141.73,145.47 K1#20.5
Board_9-GND:
  vias: v1(153.6,145.8) v1(154,131.2) v1(156.2,145.8) v1(158.4,131) v1(158.8,126.2) v1(159.2,140.6) v1(161,149.6) v1(161.6,138) v1(161.6,135.2) v1(162.2,127.4) v1(162.4,142) v1(163.2,131.2) v1(165.6,147.2) v1(165.85,128.68) v1(166.8,151.2) v1(168.4,146.1) v1(174.2,130.6) v1(174.4,127) v1(175,150) v1(175.6,146.6) v1(176.2,124.2) v1(177.65,136.63) v1(177.8,141.6) v1(177.8,139.2) v1(179,128) v1(180.2,147.6) v1(181.6,136.6) v1(182,143.4) v1(184,126.8) v1(184.2,133.8) v1(184.4,138.8)
Board_9-POSx: length 22.7
  Top w0.5: K2#13.3 155.6,139 166.3,149.7 169.03,149.7 K1#25.7
Board_9-POSy: length 50.8
  Bottom w0.5: K2#13.2 155.64,136.46 166.4,125.7 181.3,125.7 185.4,129.8 185.4,135.3 181.7,139 K1#25.4
Board_9-SW: length 51.5
  Top w0.5: 176.2,131.3 K1#25.2 ; 176.2,131.3 176.2,126.1 174.7,124.6 162.8,124.6 154.87,132.53 154.87,132.55 ; 176.2,131.3 177.75,129.75 R1#16.1 ; 154.87,132.55 167.05,132.55 K1#25.2 ; 154.87,132.55 K2#13.1
Board_9-VCC: length 51.2
  Top w0.5: R1#16.2 183,132.48 183,140.2 181.7,141.5 K1#25.5
  Bottom w0.5: K2#13.4 155.14,141.54 163.85,150.25 170.98,150.25 K1#25.6 177.47,147.73 179.73,145.47 K1#25.5
Board_10-GND:
  vias: v1(1.6,107.8) v1(2,93.2) v1(4.2,107.8) v1(6.4,93) v1(6.8,88.2) v1(7.2,102.6) v1(9,111.6) v1(9.6,100) v1(9.6,97.2) v1(10.2,89.4) v1(10.4,104) v1(11.2,93.2) v1(13.6,109.2) v1(13.85,90.68) v1(14.8,113.2) v1(16.4,108.1) v1(22.2,92.6) v1(22.4,89) v1(23,112) v1(23.6,108.6) v1(24.2,86.2) v1(25.65,98.63) v1(25.8,103.6) v1(25.8,101.2) v1(27,90) v1(28.2,109.6) v1(29.6,98.6) v1(30,105.4) v1(32,88.8) v1(32.2,95.8) v1(32.4,100.8)
Board_10-POSx: length 22.7
  Top w0.5: K1#3.7 17.03,111.7 14.3,111.7 3.6,101 K2#12.3
Board_10-POSy: length 50.8
  Bottom w0.5: K2#12.2 3.64,98.46 14.4,87.7 29.3,87.7 33.4,91.8 33.4,97.3 29.7,101 K1#3.4
Board_10-SW: length 51.5
  Top w0.5: 2.87,94.55 2.87,94.53 10.8,86.6 22.7,86.6 24.2,88.1 24.2,93.3 ; 2.87,94.55 15.05,94.55 K1#3.2 ; 2.87,94.55 K2#12.1 ; 24.2,93.3 K1#3.2 ; 24.2,93.3 25.75,91.75 R1#9.1
Board_10-VCC: length 51.2
  Top w0.5: K1#3.5 29.7,103.5 31,102.2 31,94.48 R1#9.2
  Bottom w0.5: K2#12.4 3.14,103.54 11.85,112.25 18.98,112.25 K1#3.6 25.47,109.73 27.73,107.47 K1#3.5
Board_11-GND:
  vias: v1(39.6,107.8) v1(40,93.2) v1(42.2,107.8) v1(44.4,93) v1(44.8,88.2) v1(45.2,102.6) v1(47,111.6) v1(47.6,100) v1(47.6,97.2) v1(48.2,89.4) v1(48.4,104) v1(49.2,93.2) v1(51.6,109.2) v1(51.85,90.68) v1(52.8,113.2) v1(54.4,108.1) v1(60.2,92.6) v1(60.4,89) v1(61,112) v1(61.6,108.6) v1(62.2,86.2) v1(63.65,98.63) v1(63.8,103.6) v1(63.8,101.2) v1(65,90) v1(66.2,109.6) v1(67.6,98.6) v1(68,105.4) v1(70,88.8) v1(70.2,95.8) v1(70.4,100.8)
Board_11-POSx: length 22.7
  Top w0.5: K1#24.7 55.03,111.7 52.3,111.7 41.6,101 K2#11.3
Board_11-POSy: length 50.8
  Bottom w0.5: K1#24.4 67.7,101 71.4,97.3 71.4,91.8 67.3,87.7 52.4,87.7 41.64,98.46 K2#11.2
Board_11-SW: length 51.5
  Top w0.5: R1#12.1 63.75,91.75 62.2,93.3 ; 62.2,93.3 62.2,88.1 60.7,86.6 48.8,86.6 40.87,94.53 40.87,94.55 ; 62.2,93.3 K1#24.2 ; K2#11.1 40.87,94.55 ; 40.87,94.55 53.05,94.55 K1#24.2
Board_11-VCC: length 51.2
  Top w0.5: R1#12.2 69,94.48 69,102.2 67.7,103.5 K1#24.5
  Bottom w0.5: K1#24.5 65.73,107.47 63.47,109.73 K1#24.6 56.98,112.25 49.85,112.25 41.14,103.54 K2#11.4
Board_12-GND:
  vias: v1(77.6,107.8) v1(78,93.2) v1(80.2,107.8) v1(82.4,93) v1(82.8,88.2) v1(83.2,102.6) v1(85,111.6) v1(85.6,100) v1(85.6,97.2) v1(86.2,89.4) v1(86.4,104) v1(87.2,93.2) v1(89.6,109.2) v1(89.85,90.68) v1(90.8,113.2) v1(92.4,108.1) v1(98.2,92.6) v1(98.4,89) v1(99,112) v1(99.6,108.6) v1(100.2,86.2) v1(101.65,98.63) v1(101.8,103.6) v1(101.8,101.2) v1(103,90) v1(104.2,109.6) v1(105.6,98.6) v1(106,105.4) v1(108,88.8) v1(108.2,95.8) v1(108.4,100.8)
Board_12-POSx: length 22.7
  Top w0.5: K1#23.7 93.03,111.7 90.3,111.7 79.6,101 K2#4.3
Board_12-POSy: length 50.8
  Bottom w0.5: K2#4.2 79.64,98.46 90.4,87.7 105.3,87.7 109.4,91.8 109.4,97.3 105.7,101 K1#23.4
Board_12-SW: length 51.5
  Top w0.5: K2#4.1 78.87,94.55 ; 78.87,94.55 78.87,94.53 86.8,86.6 98.7,86.6 100.2,88.1 100.2,93.3 ; 78.87,94.55 91.05,94.55 K1#23.2 ; 100.2,93.3 K1#23.2 ; 100.2,93.3 101.75,91.75 R1#5.1
Board_12-VCC: length 51.2
  Top w0.5: R1#5.2 107,94.48 107,102.2 105.7,103.5 K1#23.5
  Bottom w0.5: K2#4.4 79.14,103.54 87.85,112.25 94.98,112.25 K1#23.6 101.47,109.73 103.73,107.47 K1#23.5
Board_13-GND:
  vias: v1(115.6,107.8) v1(116,93.2) v1(118.2,107.8) v1(120.4,93) v1(120.8,88.2) v1(121.2,102.6) v1(123,111.6) v1(123.6,100) v1(123.6,97.2) v1(124.2,89.4) v1(124.4,104) v1(125.2,93.2) v1(127.6,109.2) v1(127.85,90.68) v1(128.8,113.2) v1(130.4,108.1) v1(136.2,92.6) v1(136.4,89) v1(137,112) v1(137.6,108.6) v1(138.2,86.2) v1(139.65,98.63) v1(139.8,103.6) v1(139.8,101.2) v1(141,90) v1(142.2,109.6) v1(143.6,98.6) v1(144,105.4) v1(146,88.8) v1(146.2,95.8) v1(146.4,100.8)
Board_13-POSx: length 22.7
  Top w0.5: K2#3.3 117.6,101 128.3,111.7 131.03,111.7 K1#6.7
Board_13-POSy: length 50.8
  Bottom w0.5: K1#6.4 143.7,101 147.4,97.3 147.4,91.8 143.3,87.7 128.4,87.7 117.64,98.46 K2#3.2
Board_13-SW: length 51.5
  Top w0.5: K2#3.1 116.87,94.55 ; 116.87,94.55 129.05,94.55 K1#6.2 ; 116.87,94.55 116.87,94.53 124.8,86.6 136.7,86.6 138.2,88.1 138.2,93.3 ; 138.2,93.3 139.75,91.75 R1#21.1 ; 138.2,93.3 K1#6.2
